# Altium PCB Bien_Quang_Cao_ver2_pcb.PcbDoc (part 2 of 2)
Units mil, origin at the board's own origin, x right, y up, seen from the top; angles counter-clockwise.
Board outline 8661.42 x 3937.01 mil, 2 copper layers (Top Layer, Bottom Layer); 176 components, 159 nets, 499 pads, 189 vias.
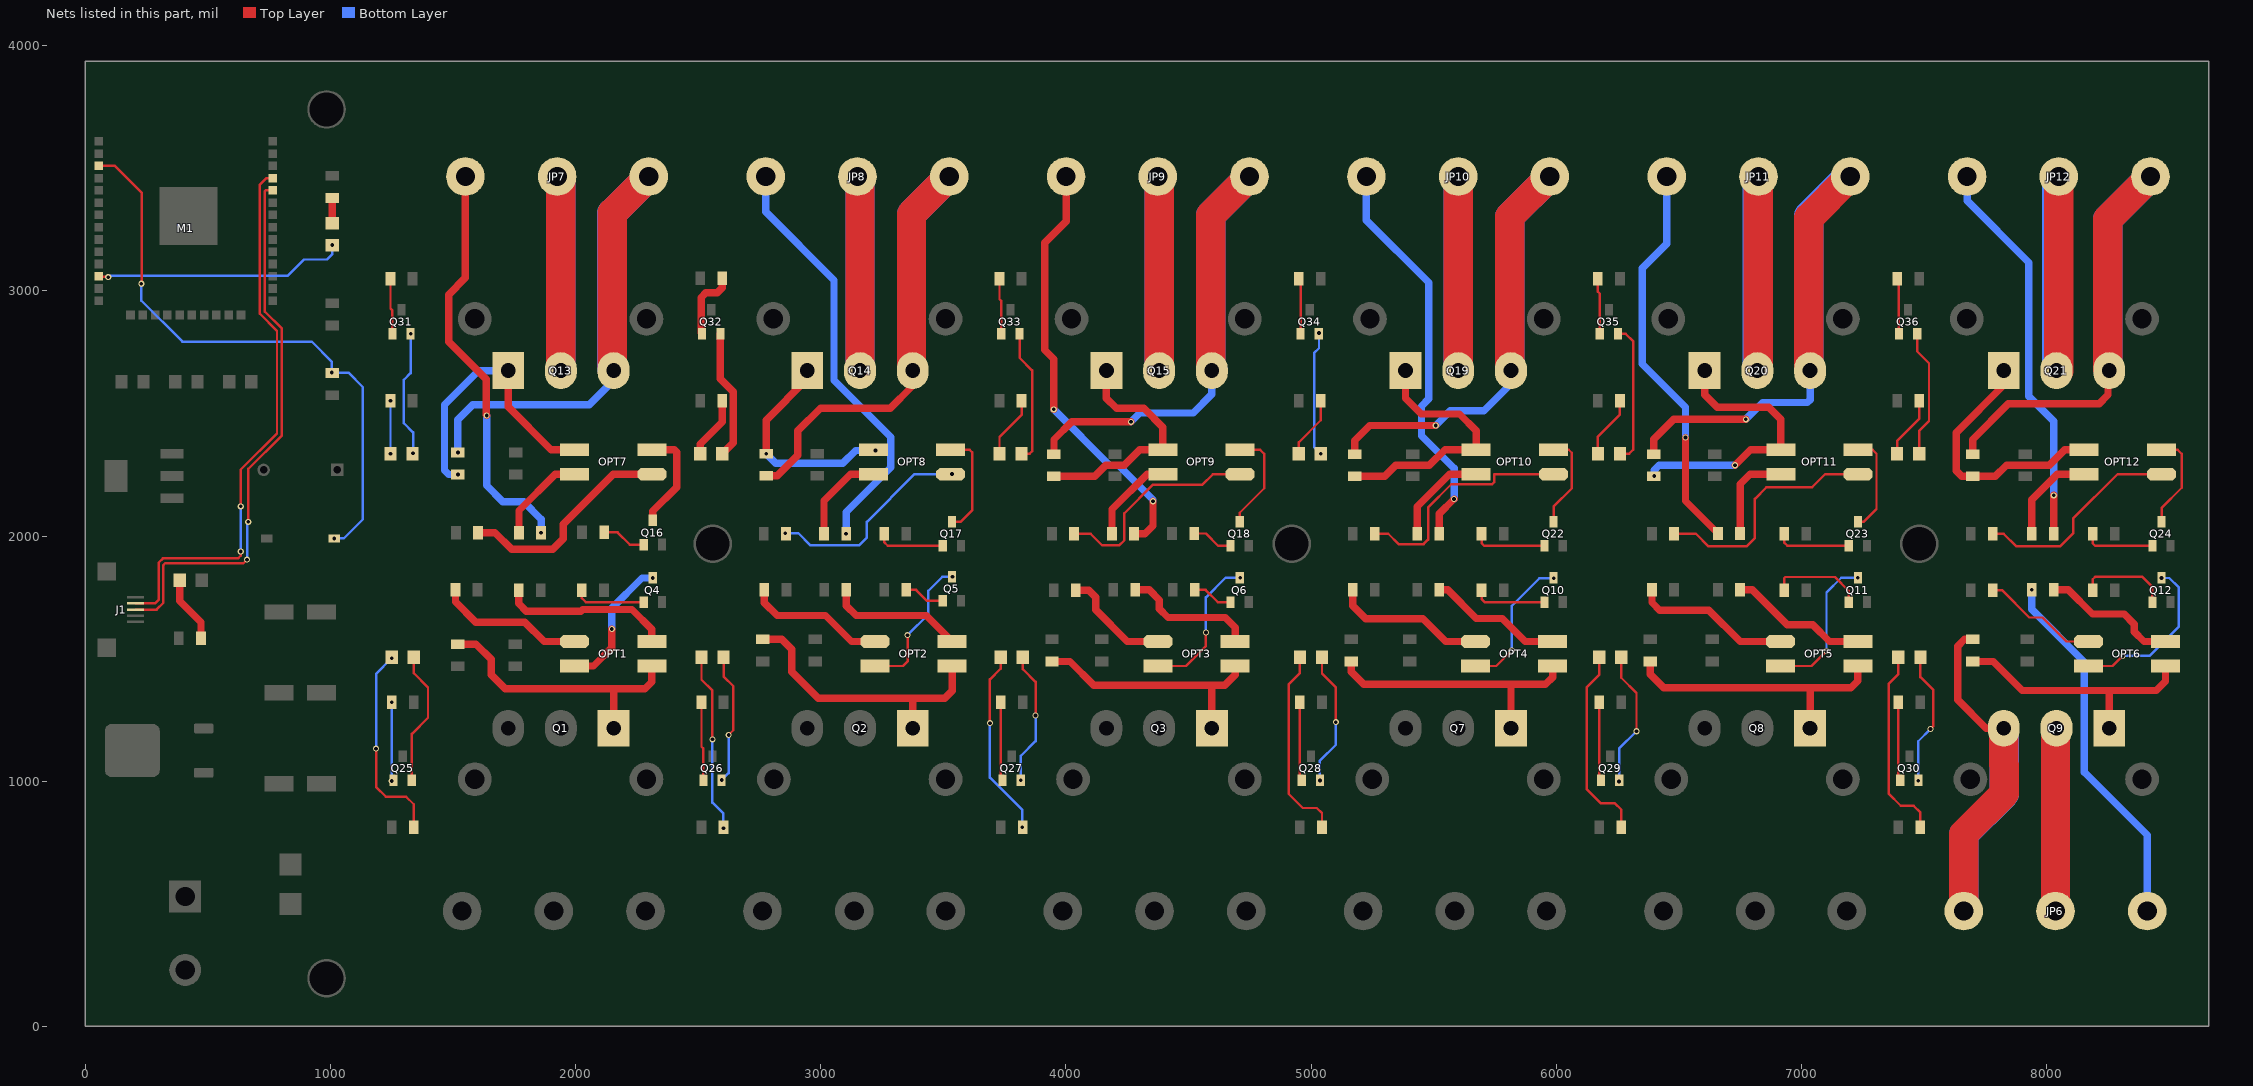
[diagram p2: the nets of this part, all layers, seen from the top]

## Via types
v1: diameter 25, hole 15, Top Layer to Bottom Layer, tented both sides, 189 vias

## Nets (pads, with @x,y where several pads share a name; then routed paths per layer and width w, separated by ;. In a path a pad name is that pad's centre, name@x,y a point inside that pad or via, vN(x,y) a via of type N, cw(c..) or ccw(c..) an arc to the next point about the centre after c; other vN are vias at no path point) (continued)
NetJP6_1: JP6.1 R21.1 | length 1505.1
  Bottom Layer w30: v1(7938.97,1780.5) 7938.97,1701.03 8154,1486 8154,1037 8409.92,781.08 JP6.1@8409.92,470.5
NetJP6_2: JP6.2 Q9.2 | length 1493.4
  Top Layer w120: JP6.2@8035.9,470.5 Q9.2@8035.9,1216.32
  Bottom Layer w120: JP6.2@8035.9,470.5 8035.9,1212.18 Q9.2@8040.04,1216.32
NetJP6_3: JP6.3 Q9.3 R27.2 | length 2164.3
  Top Layer w30: R27.2@7698,1578.6 7664.6,1578.6 7637,1551 7637,1332 7752.68,1216.32 Q9.3@7825.04,1216.32
  Top Layer w120: JP6.3@7661.89,470.5 7661.89,784.76 7827.77,950.65 7827.77,1065.71 7825.04,1068.45 Q9.3@7825.04,1216.32
  Bottom Layer w120: JP6.3@7661.89,470.5 7661.89,782.88 7827.77,948.77 Q9.3@7827.77,1223
NetJP7_1: JP7.1 R34.1 | length 1686.9
  Top Layer w30: JP7.1@1550.54,3466.51 1550.54,3053.54 1482,2985 1482,2792 1635.04,2638.96 1635.04,2493.96 v1(1637,2492)
  Bottom Layer w30: v1(1637,2492) 1637,2206 1703,2140 1788,2140 1859.15,2068.85 v1(1859.15,2014)
NetJP7_2: JP7.2 Q13.2 | length 1595.8
  Top Layer w120: JP7.2@1924.55,3466.51 1940.04,3451.02 Q13.2@1940.04,2675
  Bottom Layer w120: JP7.2@1924.55,3466.51 1940.04,3451.02 Q13.2@1940.04,2675
NetJP7_3: JP7.3 Q13.3 R42.2 | length 2590.2
  Top Layer w120: Q13.3@2155.04,2675 2149.98,2675 2149.98,3317.92 JP7.3@2298.57,3466.51
  Bottom Layer w30: v1(1520,2341) 1520,2475 1580,2535 2055,2535 2155.04,2635.04 Q13.3@2155.04,2675
  Bottom Layer w120: Q13.3@2155.04,2675 2148,2682.04 2148,3315.94 JP7.3@2298.57,3466.51
NetJP8_1: JP8.1 R36.1 | length 1743.4
  Top Layer w30: R36.1@3103.17,2009.5 v1(3103.17,2009.83)
  Bottom Layer w30: JP8.1@2775.52,3466.51 2775.52,3322.48 3054,3044 3054,2635 3285,2404 3285,2280 3103.17,2098.17 v1(3103.17,2009.83)
NetJP8_2: JP8.2 Q14.2 | length 1591.7
  Top Layer w120: JP8.2@3149.53,3466.51 3160.04,3456.01 Q14.2@3160.04,2675
  Bottom Layer w120: JP8.2@3149.53,3466.51 3160.04,3456.01 Q14.2@3160.04,2675
NetJP8_3: JP8.3 Q14.3 R43.2 | length 2580.8
  Top Layer w30: R43.2@2777.04,2246 2823,2246 2906,2329 2906,2429 2999,2522 3284,2522 3369.98,2607.98 Q14.3@3369.98,2675
  Top Layer w120: Q14.3@3369.98,2675 3369.98,3312.94 JP8.3@3523.55,3466.51
  Bottom Layer w120: Q14.3@3375.04,2675 3369.98,2680.06 3369.98,3312.94 JP8.3@3523.55,3466.51
NetJP9_1: JP9.1 R38.1 | length 1755.9
  Top Layer w30: v1(3950,2517) 3950,2722 3913,2759 3913,3196 4000.5,3283.5 JP9.1@4000.5,3466.51 ; R38.1@4277.8,2009.5 4322.5,2009.5 4355,2042 v1(4355,2142)
  Bottom Layer w30: v1(3950,2517) 4179,2288 4215.57,2288 4355,2148.57 v1(4355,2142)
NetJP9_2: JP9.2 Q15.2 | length 1587.6
  Top Layer w120: JP9.2@4374.52,3466.51 4380.04,3460.99 Q15.2@4380.04,2675
  Bottom Layer w120: JP9.2@4374.52,3466.51 4380.04,3460.99 Q15.2@4380.04,2675
NetJP9_3: JP9.3 Q15.3 R44.2 | length 2596.5
  Top Layer w30: R44.2@3951,2333.6 3951,2394 4023,2466 v1(4265,2466)
  Top Layer w120: Q15.3@4589.98,2675 4589.98,3307.95 JP9.3@4748.53,3466.51
  Bottom Layer w30: v1(4265,2466) 4301,2502 4519,2502 4595.04,2578.04 Q15.3@4595.04,2675
  Bottom Layer w120: Q15.3@4595.04,2675 4597.97,2677.93 4589.98,2685.92 4589.98,3307.95 JP9.3@4748.53,3466.51
NetJP10_1: JP10.1 R49.1 | length 1655
  Top Layer w30: R49.1@5522.51,2009.5 5522.51,2090.51 v1(5583,2151)
  Bottom Layer w30: JP10.1@5225.49,3466.51 5225.49,3288.51 5480,3034 5480,2560 5450,2530 5450,2409 5583,2276 v1(5583,2151)
NetJP10_2: JP10.2 Q19.2 | length 1583.2
  Top Layer w120: Q19.2@5599.5,2675 JP10.2@5599.5,3466.51
  Bottom Layer w120: JP10.2@5599.5,3466.51 5599.5,2675.54 Q19.2@5600.04,2675
NetJP10_3: JP10.3 Q19.3 R58.2 | length 2565.8
  Top Layer w30: R58.2@5178.04,2333.6 5178.04,2390.04 5239,2451 v1(5508,2451)
  Top Layer w120: Q19.3@5815.04,2675 5809.98,2680.06 5809.98,3302.97 JP10.3@5973.52,3466.51
  Bottom Layer w30: v1(5508,2451) 5568,2511 5705,2511 5815.04,2621.04 Q19.3@5815.04,2675
  Bottom Layer w120: Q19.3@5815.04,2675 5809.98,2680.06 5809.98,3302.97 JP10.3@5973.52,3466.51
NetJP11_1: JP11.1 R51.1 | length 1625
  Top Layer w30: v1(6527,2402) 6527,2143 R51.1@6659.5,2010.5
  Bottom Layer w30: JP11.1@6450.47,3466.51 6450.47,3192.47 6351,3093 6351,2702 6527,2526 v1(6527,2402)
NetJP11_2: JP11.2 Q20.2 | length 1584.9
  Top Layer w120: Q20.2@6824.48,2675 JP11.2@6824.48,3466.51
  Bottom Layer w120: Q20.2@6820.04,2675 6820.04,3462.06 JP11.2@6824.48,3466.51
NetJP11_3: JP11.3 Q20.3 R59.2 | length 2616.2
  Top Layer w30: R59.2@6398.04,2333.6 6398.04,2395.04 6479,2476 v1(6773,2476)
  Top Layer w120: Q20.3@7035.04,2675 7029.98,2680.06 7029.98,3297.99 JP11.3@7198.5,3466.51
  Bottom Layer w30: v1(6773,2476) 6842,2545 7024,2545 7035.04,2556.04 Q20.3@7035.04,2675
  Bottom Layer w120: Q20.3@7035.04,2675 7029.98,2680.06 7029.98,3306.98 7189.51,3466.51 JP11.3@7198.5,3466.51
NetJP12_1: JP12.1 R53.1 | length 1603.4
  Top Layer w30: R53.1@8028.98,2009.5 v1(8028.98,2165.98)
  Bottom Layer w30: JP12.1@7675.45,3466.51 7675.45,3367.55 7927,3116 7927,2570 8028.98,2468.02 v1(8028.98,2165.98)
NetJP12_2: JP12.2 Q21.2 | length 1586.9
  Top Layer w120: Q21.2@8049.47,2675 JP12.2@8049.47,3466.51
  Bottom Layer w120: Q21.2@8040.04,2675 8040.04,3457.08 JP12.2@8049.47,3466.51
NetJP12_3: JP12.3 Q21.3 R60.2 | length 2515.6
  Top Layer w30: R60.2@7698,2333.6 7698,2394 7844,2540 8214,2540 8249.98,2575.98 Q21.3@8249.98,2680.06
  Top Layer w120: Q21.3@8249.98,2680.06 8249.98,3293 JP12.3@8423.48,3466.51
  Bottom Layer w120: Q21.3@8255.04,2675 8249.98,2680.06 8249.98,3293 JP12.3@8423.48,3466.51
NetLED1_1: LED1.1 M1.12 | length 1035.9
  Top Layer w10: M1.12@55,3060 56.95,3058.05 91.95,3058.05 v1(94,3056)
  Bottom Layer w10: v1(94,3056) 94,3060 92.5,3061.5 825.5,3061.5 892,3128 986,3128 1008,3150 v1(1008,3187)
NetLED1_2: LED1.2 R54.2 | length 103.2
  Top Layer w30: LED1.2@1007.5,3276 1008,3276.5 R54.2@1008,3379
NetLED2_1: LED2.1 Q25.1 | length 552.4
  Top Layer w10: Q25.1@1332,1004 1332,1193 1398,1259 1398,1383 1340,1441 LED2.1@1340,1505
NetLED2_2: LED2.2 R76.1 | length 827.9
  Top Layer w10: v1(1186,1133) 1186,977 1226,937 1309,937 1340,906 R76.1@1340,813
  Bottom Layer w10: v1(1186,1133) 1186,1438 v1(1250,1502)
NetLED3_1: LED3.1 Q26.1 | length 535.8
  Top Layer w10: LED3.1@2603.48,1505 2603.48,1427.52 2643,1388 2643,1208 v1(2624,1189)
  Bottom Layer w10: v1(2596,1005) 2624,1033 v1(2624,1189)
NetLED3_2: LED3.2 R77.1 | length 734.1
  Top Layer w10: LED3.2@2513.48,1505 2513.48,1414.24 2558,1369.72 v1(2558,1171)
  Bottom Layer w10: v1(2558,1171) 2558,913 2603,868 v1(2603,808)
NetLED4_1: LED4.1 Q27.1 | length 547.5
  Top Layer w10: LED4.1@3823.86,1505 3823.86,1457.14 3876,1405 v1(3876,1268)
  Bottom Layer w10: v1(3816,1004) 3816,1104 3876,1164 v1(3876,1268)
NetLED4_2: LED4.2 R78.1 | length 767.3
  Top Layer w10: v1(3690,1237) 3690,1415.28 3733.86,1459.14 LED4.2@3733.86,1505 ; v1(3822,812) R78.1@3823,813
  Bottom Layer w10: v1(3690,1237) 3690,1015 3822,883 v1(3822,812)
NetLED5_1: LED5.1 Q28.1 | length 552.4
  Top Layer w10: LED5.1@5044.24,1505 5044.24,1438.76 5101,1382 v1(5101,1241)
  Bottom Layer w10: v1(5036,1003) 5036,1084 5101,1149 v1(5101,1241)
NetLED5_2: LED5.2 R79.1 | length 801
  Top Layer w10: LED5.2@4954.24,1505 4954.24,1441.24 4908,1395 4908,949 4966,891 5023,891 5044.24,869.76 R79.1@5044.24,813
NetLED6_1: LED6.1 Q29.1 | length 561.2
  Top Layer w10: LED6.1@6264.62,1505 6264.62,1422.38 6327,1360 v1(6327,1204)
  Bottom Layer w10: v1(6256,999) 6256,1133 v1(6327,1204)
NetLED6_2: LED6.2 R80.1 | length 803.8
  Top Layer w10: LED6.2@6174.62,1505 6174.62,1433.62 6125,1384 6125,967 6182,910 6239,910 6264.62,884.38 R80.1@6264.62,813
NetLED7_1: LED7.1 Q30.1 | length 550.6
  Top Layer w10: LED7.1@7485,1505 7485,1425 7538,1372 7538,1225 v1(7526,1213)
  Bottom Layer w10: v1(7476,1002) 7476,1163 v1(7526,1213)
NetLED7_2: LED7.2 R81.1 | length 792.9
  Top Layer w10: LED7.2@7395,1505 7395,1437 7355,1397 7355,950 7405,900 7457,900 7485,872 R81.1@7485,813
NetLED8_1: LED8.1 Q31.1 | length 514.9
  Bottom Layer w10: v1(1327,2825.25) 1327,2665 1299,2637 1299,2461 1337,2423 v1(1337,2337.69)
NetLED8_2: LED8.2 R82.1 | length 216.6
  Bottom Layer w10: v1(1245,2335.69) v1(1245,2552.32)
NetLED9_1: LED9.1 Q32.1 | length 529.9
  Top Layer w30: Q32.1@2590.48,2825.26 2590.48,2641.87 2643.17,2589.18 2643.17,2380.38 LED9.1@2598.48,2335.69
NetLED9_2: LED9.2 R83.1 | length 252.9
  Top Layer w30: LED9.2@2508.48,2335.69 2508.48,2375.48 2598.48,2465.48 R83.1@2598.48,2551.32
NetLED10_1: LED10.1 Q33.1 | length 547.9
  Top Layer w10: Q33.1@3810.86,2825.26 3810.86,2727.14 3862,2676 3862,2346 3851.69,2335.69 LED10.1@3818.86,2335.69
NetLED10_2: LED10.2 R84.1 | length 252.9
  Top Layer w10: LED10.2@3728.86,2335.69 3728.86,2403.86 3818.86,2493.86 R84.1@3818.86,2551.32
NetLED11_1: LED11.1 Q34.1 | length 511.9
  Bottom Layer w10: v1(5032,2828) 5032,2766 5012,2746 5012,2362.93 v1(5039.24,2335.69)
NetLED11_2: LED11.2 R85.1 | length 252.9
  Top Layer w10: LED11.2@4949.24,2335.69 4949.24,2382.24 5039.24,2472.24 R85.1@5039.24,2551.32
NetLED12_1: LED12.1 Q35.1 | length 577.1
  Top Layer w10: Q35.1@6251.62,2825.26 6282.74,2825.26 6313,2795 6313,2352 6296.69,2335.69 LED12.1@6259.62,2335.69
NetLED12_2: LED12.2 R86.1 | length 252.9
  Top Layer w10: LED12.2@6169.62,2335.69 6169.62,2405.62 6259.62,2495.62 R86.1@6259.62,2551.32
NetLED13_1: LED13.1 Q36.1 | length 526
  Top Layer w10: Q36.1@7472,2825.26 7472,2753 7520,2705 7520,2469 7480,2429 LED13.1@7480,2335.69
NetLED13_2: LED13.2 R87.1 | length 252.9
  Top Layer w10: LED13.2@7390,2335.69 7390,2388 7480,2478 R87.1@7480,2551.32
NetLED14_2: LED14.2 R88.2 | length 273
  Top Layer w30: LED14.2@385,1820 385,1735 472,1648 R88.2@472,1583
NetM1_3: M1.3 R32.2 Reset1.1 | length 2425.6
  Top Layer w10: M1.3@55,3510 121,3510 230,3401 230,3030 v1(229,3029)
  Bottom Layer w10: v1(229,3029) 229,2960 396,2793 924,2793 1005,2712 v1(1005,2667) 1073,2667 1132,2608 1132,2068 1054.26,1990.26 v1(1015.33,1990.26)
NetOPT1_1: OPT1.1 R1.1 | length 601.6
  Top Layer w30: R1.1@1510.03,1780.5 1510.03,1731.97 1593,1649 1793,1649 1872,1570 OPT1.1@1996.04,1570
NetOPT1_2: OPT1.2 Q4.2 | length 561
  Top Layer w30: OPT1.2@1996.04,1470 2073,1470 2148,1545 v1(2148,1621)
  Bottom Layer w30: v1(2148,1621) 2148,1706 2271,1829 v1(2314,1829)
NetOPT1_3: OPT1.3 Q1.1 R10.1 | length 1142.4
  Top Layer w30: R10.1@1519.04,1559 1594,1559 1656,1497 1656,1434 1713,1377 2153,1377 ; Q1.1@2155.04,1216.32 2155.04,1374.96 2153,1377 ; OPT1.3@2311,1470 2311,1405 2283,1377 2153,1377
NetOPT1_4: OPT1.4 R2.2 | length 696.7
  Top Layer w30: R2.2@1767.84,1779.5 1767.84,1725.16 1799,1694 2022,1694 2028.79,1700.79 2230.21,1700.79 2311,1620 OPT1.4@2311,1570
NetOPT2_1: OPT2.1 R3.1 | length 569
  Top Layer w30: R3.1@2770,1780.5 2770,1728 2822,1676 3019,1676 3125,1570 OPT2.1@3221.04,1570
NetOPT2_2: OPT2.2 Q5.2 | length 585.6
  Top Layer w10: OPT2.2@3221.04,1470 3335,1470 3354,1489 v1(3354,1596)
  Bottom Layer w10: v1(3354,1596) 3439,1681 3439,1777 3496,1834 v1(3537,1834)
NetOPT2_3: OPT2.3 Q2.1 R11.1 | length 1160.5
  Top Layer w30: R11.1@2764,1578.6 2840.4,1578.6 2881,1538 2881,1447 2990,1338 3375.04,1338 ; Q2.1@3375.04,1216.32 3375.04,1338 ; OPT2.3@3536,1470 3536,1369 3505,1338 3375.04,1338
NetOPT2_4: OPT2.4 R4.2 | length 556.2
  Top Layer w30: R4.2@3104.48,1780.5 3104.48,1716.52 3145,1676 3430,1676 OPT2.4@3536,1570
NetOPT3_1: OPT3.1 R5.1 | length 452.2
  Top Layer w30: R5.1@4040.04,1779.5 4092.5,1779.5 4121,1751 4121,1699 4250,1570 OPT3.1@4375,1570
NetOPT3_2: OPT3.2 Q6.2 | length 601.7
  Top Layer w10: OPT3.2@4375,1470 4490,1470 4571,1551 v1(4571,1607)
  Bottom Layer w10: v1(4571,1607) 4571,1750 4651,1830 v1(4711,1830)
NetOPT3_3: OPT3.3 Q3.1 R12.1 | length 1016.3
  Top Layer w30: R12.1@3943.04,1488.6 4016.4,1488.6 4113,1392 4597,1392 ; Q3.1@4595.04,1216.32 4595.04,1390.04 4597,1392 ; OPT3.3@4689.96,1470 4689.96,1434.96 4647,1392 4597,1392
NetOPT3_4: OPT3.4 R6.2 | length 549.2
  Top Layer w30: R6.2@4282.49,1780.5 4339.5,1780.5 4381,1739 4381,1703 4416,1668 4649,1668 4689.96,1627.04 OPT3.4@4689.96,1570
NetOPT4_1: OPT4.1 R16.1 | length 625
  Top Layer w30: R16.1@5170.03,1780.5 5170.03,1715.97 5223,1663 5456,1663 5549,1570 OPT4.1@5670.04,1570
NetOPT4_2: OPT4.2 Q10.2 | length 573.9
  Top Layer w10: OPT4.2@5670.04,1470 5755,1470 v1(5818,1533)
  Bottom Layer w10: v1(5818,1533) 5818,1715 5931,1828 v1(5989,1828)
NetOPT4_3: OPT4.3 Q7.1 R25.1 | length 1118.8
  Top Layer w30: R25.1@5163.04,1488.6 5163.04,1446.96 5215,1395 5956,1395 5985,1424 OPT4.3@5985,1470 ; Q7.1@5815.04,1216.32 5815.04,1391.96
NetOPT4_4: OPT4.4 R17.2 | length 549.7
  Top Layer w30: R17.2@5522.5,1780.5 5557.5,1780.5 5674,1664 5780,1664 5874,1570 OPT4.4@5985,1570
NetOPT5_1: OPT5.1 R18.1 | length 642.3
  Top Layer w30: R18.1@6390.03,1780.5 6390.03,1728.97 6421,1698 6622,1698 6750,1570 OPT5.1@6915,1570
NetOPT5_2: OPT5.2 Q11.2 | length 604.1
  Top Layer w10: OPT5.2@6915,1470 7041,1470 v1(7102,1531)
  Bottom Layer w10: v1(7102,1531) 7102,1770 7162,1830 v1(7230,1830)
NetOPT5_3: OPT5.3 Q8.1 R26.1 | length 1156.6
  Top Layer w30: R26.1@6383.04,1488.6 6383.04,1435.96 6438,1381 7202,1381 7229.96,1408.96 OPT5.3@7229.96,1470 ; Q8.1@7035.04,1216.32 7035.04,1377.96
NetOPT5_4: OPT5.4 R19.2 | length 567.6
  Top Layer w30: R19.2@6749.5,1780.5 6799.5,1780.5 6942,1638 7046,1638 7114,1570 OPT5.4@7229.96,1570
NetOPT6_1: OPT6.1 R20.1 | length 476.8
  Top Layer w10: R20.1@7780,1779.5 7817.5,1779.5 7929,1668 7983,1668 8081,1570 OPT6.1@8170,1570
NetOPT6_2: OPT6.2 Q12.2 | length 681.8
  Top Layer w10: OPT6.2@8170,1470 8269,1470 v1(8310,1511)
  Bottom Layer w10: v1(8310,1511) 8419,1511 8539,1631 8539,1790 8500,1829 v1(8468,1829)
NetOPT6_3: OPT6.3 Q9.1 R27.1 | length 1068
  Top Layer w30: R27.1@7698,1488.6 7782.4,1488.6 7901,1370 8254,1370 ; Q9.1@8255.04,1216.32 8255.04,1368.96 8254,1370 ; OPT6.3@8484.96,1470 8484.96,1407.96 8447,1370 8254,1370
NetOPT6_4: OPT6.4 R21.2 | length 561.3
  Top Layer w30: R21.2@8028.97,1780.5 8088.5,1780.5 8187,1682 8316,1682 8357,1641 8357,1610 8397,1570 OPT6.4@8484.96,1570
NetOPT7_1: OPT7.1 R33.1 | length 898.6
  Top Layer w30: R33.1@1602,2014 1671,2014 1739,1946 1907,1946 1950,1989 1950,2048 2154.2,2252.2 OPT7.1@2311,2252.2
NetOPT7_2: OPT7.2 Q16.2 | length 423.7
  Top Layer w30: OPT7.2@2311,2352.2 2401.8,2352.2 2412,2342 2412,2199 2315,2102 Q16.2@2315,2063.71
NetOPT7_3: OPT7.3 Q13.1 R42.1 | length 1138.5
  Top Layer w30: Q13.1@1725.04,2675 1725.04,2526.96 1899.8,2352.2 OPT7.3@1996.04,2352.2
  Bottom Layer w30: v1(1520,2251) 1483,2251 1465,2269 1465,2536 1604,2675 Q13.1@1725.04,2675
NetOPT7_4: OPT7.4 R34.2 | length 378.4
  Top Layer w30: R34.2@1769.15,2014 1769.15,2104.15 1917.2,2252.2 OPT7.4@1996.04,2252.2
NetOPT8_1: OPT8.1 R35.1 | length 861.7
  Top Layer w10: v1(2855.54,2012) R35.1@2858.04,2009.5
  Bottom Layer w10: v1(2855.54,2012) 2908,2012 2958,1962 3156,1962 3188,1994 3188,2058 3383,2253 v1(3535,2253)
NetOPT8_2: OPT8.2 Q17.2 | length 429.2
  Top Layer w10: OPT8.2@3530,2352.2 3606.8,2352.2 3617,2342 3617,2105 3571.21,2059.21 Q17.2@3535,2059.21
NetOPT8_3: OPT8.3 Q14.1 R43.1 | length 892.2
  Top Layer w30: v1(2777.04,2336) 2777.04,2473.04 2945.04,2641.04 Q14.1@2945.04,2675
  Bottom Layer w30: v1(2777.04,2336) 2816.04,2297 3090,2297 3142,2349 v1(3223,2349)
NetOPT8_4: OPT8.4 R36.2 | length 381.3
  Top Layer w30: R36.2@3013.17,2009.5 3013.17,2144.17 3121.2,2252.2 OPT8.4@3215.04,2252.2
NetOPT9_1: OPT9.1 R37.1 | length 881.3
  Top Layer w10: R37.1@4033,2009.5 4100.5,2009.5 4148,1962 4217,1962 4238,1983 4238,2093 4355,2210 4557,2210 4599.2,2252.2 OPT9.1@4709.96,2252.2
NetOPT9_2: OPT9.2 Q18.2 | length 423.4
  Top Layer w10: Q18.2@4708.96,2059.21 4708.96,2094.96 4809,2195 4809,2335 4791.8,2352.2 OPT9.2@4709.96,2352.2
NetOPT9_3: OPT9.3 Q15.1 R44.1 | length 972.6
  Top Layer w30: R44.1@3951,2243.6 4117.46,2243.6 4162.14,2288.28 4237.23,2288.28 4301.14,2352.2 OPT9.3@4395,2352.2 4395,2444 4318,2521 4206,2521 4165.04,2561.96 Q15.1@4165.04,2675
NetOPT9_4: OPT9.4 R38.2 | length 365.9
  Top Layer w30: R38.2@4187.8,2009.5 4187.8,2108.8 4331.2,2252.2 OPT9.4@4395,2252.2
NetOPT10_1: OPT10.1 R48.1 | length 959.3
  Top Layer w10: R48.1@5260.04,2009.5 5314.5,2009.5 5357,1967 5458.41,1967 5477,1985.59 5477,2117 5571.61,2211.61 5738.31,2211.61 5747.09,2220.4 5747.09,2252.2 OPT10.1@5988,2252.2
NetOPT10_2: OPT10.2 Q22.2 | length 391.5
  Top Layer w10: OPT10.2@5988,2352.2 6050.8,2352.2 6063,2340 6063,2194 5989,2120 Q22.2@5989,2059.21
NetOPT10_3: OPT10.3 Q19.1 R58.1 | length 1073.5
  Top Layer w30: R58.1@5178.04,2243.6 5300.6,2243.6 5345.28,2288.28 5482.28,2288.28 5546.2,2352.2 OPT10.3@5673.04,2352.2 5673.04,2429.96 5605,2498 5449,2498 5385.04,2561.96 Q19.1@5385.04,2675
NetOPT10_4: OPT10.4 R49.2 | length 406.1
  Top Layer w30: R49.2@5432.51,2009.5 5432.51,2120.51 5564.2,2252.2 OPT10.4@5673.04,2252.2
NetOPT11_1: OPT11.1 R50.1 | length 987.9
  Top Layer w10: R50.1@6480.04,2009.5 6569.5,2009.5 6621,1958 6776,1958 6810,1992 6810,2152 6857,2199 7043,2199 7096.2,2252.2 OPT11.1@7231,2252.2
NetOPT11_2: OPT11.2 Q23.2 | length 404.2
  Top Layer w10: Q23.2@7230,2059.21 7254.21,2059.21 7306,2111 7306,2336 7289.8,2352.2 OPT11.2@7231,2352.2
NetOPT11_3: OPT11.3 Q20.1 R59.1 | length 1150.7
  Top Layer w30: Q20.1@6605.04,2675 6605.04,2575.96 6656,2525 6867,2525 6916.04,2475.96 OPT11.3@6916.04,2352.2 6792.2,2352.2 v1(6728.91,2288.91)
  Bottom Layer w30: v1(6399,2245) 6399,2269 6418.91,2288.91 v1(6728.91,2288.91)
NetOPT11_4: OPT11.4 R51.2 | length 384.4
  Top Layer w30: R51.2@6749.5,2010.5 6749.5,2211.5 6790.2,2252.2 OPT11.4@6916.04,2252.2
NetOPT12_1: OPT12.1 R52.1 | length 865.5
  Top Layer w10: R52.1@7780,2009.5 7824.5,2009.5 7875,1959 8056,1959 8108,2011 8108,2071 8289.2,2252.2 OPT12.1@8468,2252.2
NetOPT12_2: OPT12.2 Q24.2 | length 400.1
  Top Layer w10: OPT12.2@8468,2352.2 8533.8,2352.2 8551,2335 8551,2197 8468.48,2114.48 Q24.2@8468.48,2059.21
NetOPT12_3: OPT12.3 Q21.1 R60.1 | length 1065.7
  Top Layer w30: Q21.1@7825.04,2675 7825.04,2616.04 7631,2422 7631,2266 7653.4,2243.6 R60.1@7698,2243.6 7790.6,2243.6 7836,2289 7874.54,2289 7874.63,2288.91 8010.91,2288.91 8074.2,2352.2 OPT12.3@8153.04,2352.2
NetOPT12_4: OPT12.4 R53.2 | length 395.7
  Top Layer w30: R53.2@7938.98,2009.5 7938.98,2147.98 8043.2,2252.2 OPT12.4@8153.04,2252.2
NetQ4_3: Q4.3 R7.2 | length 291.5
  Top Layer w10: R7.2@2025.64,1779.5 2025.64,1746.36 2041.21,1730.79 Q4.3@2277.6,1730.79
NetQ5_3: Q5.3 R8.2 | length 167.2
  Top Layer w10: R8.2@3348.96,1780.5 3388.5,1780.5 3433.21,1735.79 Q5.3@3497.6,1735.79
NetQ6_3: Q6.3 R9.2 | length 167.2
  Top Layer w10: R9.2@4524.95,1780.5 4569.5,1780.5 4619.21,1730.79 Q6.3@4671.56,1730.79
NetQ10_3: Q10.3 R22.2 | length 298.2
  Top Layer w10: R22.2@5694.98,1779.5 5694.98,1743.02 5707.21,1730.79 Q10.3@5951.6,1730.79
NetQ11_3: Q11.3 R23.2 | length 383.2
  Top Layer w10: R23.2@6928.98,1779.5 6928.98,1827.98 6934,1833 7136,1833 7192.6,1776.4 Q11.3@7192.6,1730.79
NetQ12_3: Q12.3 R24.2 | length 371.7
  Top Layer w10: R24.2@8187.95,1779.5 8187.95,1823.95 8199,1835 8389,1835 8431.08,1792.92 Q12.3@8431.08,1730.79
NetQ16_3: Q16.3 R39.2 | length 181.9
  Top Layer w10: R39.2@2116.3,2015 2171,2015 2220.71,1965.29 Q16.3@2277.6,1965.29
NetQ17_3: Q17.3 R40.2 | length 279.3
  Top Layer w10: R40.2@3258.31,2009.5 3258.31,1975.69 3273.21,1960.79 Q17.3@3497.6,1960.79
NetQ18_3: Q18.3 R41.2 | length 169.5
  Top Layer w10: R41.2@4522.6,2010.5 4570.5,2010.5 4620.21,1960.79 Q18.3@4671.56,1960.79
NetQ22_3: Q22.3 R55.2 | length 299.3
  Top Layer w10: R55.2@5694.98,2009.5 5694.98,1971.02 5705.21,1960.79 Q22.3@5951.6,1960.79
NetQ23_3: Q23.3 R56.2 | length 304.6
  Top Layer w10: R56.2@6928.98,2009.5 6928.98,1974.02 6942.21,1960.79 Q23.3@7192.6,1960.79
NetQ24_3: Q24.3 R57.2 | length 286.9
  Top Layer w10: R57.2@8187.95,2010 8187.95,1970.05 8197.21,1960.79 Q24.3@8431.08,1960.79
NetQ25_3: Q25.3 R64.2 | length 321.7
  Bottom Layer w10: v1(1250,1001) v1(1250,1322.68)
NetQ26_3: Q26.3 R65.2 | length 322
  Top Layer w10: R65.2@2513.48,1322.68 2513.48,1140.52 2521.08,1132.92 Q26.3@2521.08,1003.79
NetQ27_3: Q27.3 R66.2 | length 322
  Top Layer w10: R66.2@3733.86,1322.68 3733.86,1011.38 Q27.3@3741.46,1003.79
NetQ28_3: Q28.3 R67.2 | length 322
  Top Layer w10: R67.2@4954.24,1322.68 4954.24,1011.38 Q28.3@4961.84,1003.79
NetQ29_3: Q29.3 R68.2 | length 322
  Top Layer w10: R68.2@6174.62,1322.68 6174.62,1011.38 Q29.3@6182.22,1003.79
NetQ30_3: Q30.3 R69.2 | length 322
  Top Layer w10: R69.2@7395,1322.68 7395,1011.38 Q30.3@7402.6,1003.79
NetQ31_3: Q31.3 R70.2 | length 228.2
  Top Layer w10: R70.2@1245,3050.05 1245,2928 1252.6,2920.4 Q31.3@1252.6,2825.04
NetQ32_3: Q32.3 R71.2 | length 291.3
  Top Layer w30: Q32.3@2516.08,2825.04 2511.74,2829.37 2511.74,2972.74 2531,2992 2578,2992 2598.48,3012.48 R71.2@2598.48,3051.05
NetQ33_3: Q33.3 R72.2 | length 228.2
  Top Layer w10: R72.2@3728.86,3050.05 3728.86,2966.14 3736.46,2958.54 Q33.3@3736.46,2825.04
NetQ34_3: Q34.3 R73.2 | length 228.2
  Top Layer w10: R73.2@4949.24,3050.05 4956.84,3042.46 Q34.3@4956.84,2825.04
NetQ35_3: Q35.3 R74.2 | length 228.2
  Top Layer w10: R74.2@6169.62,3050.05 6169.62,2996.38 6177.22,2988.78 Q35.3@6177.22,2825.04
NetQ36_3: Q36.3 R75.2 | length 228.2
  Top Layer w10: R75.2@7390,3050.05 7397.6,3042.46 Q36.3@7397.6,2825.04
RX: J1.2 M1.35 | length 2265.4
  Top Layer w10: J1.2@205,1725.59 284.59,1725.59 299,1740 299,1891.28 316.72,1909 623,1909 634,1920 v1(634,1937) ; v1(634,2121) 634,2271 782,2419 782,2837 712.28,2906.72 712.28,3433.28 739,3460 M1.35@765,3460
  Bottom Layer w10: v1(634,1937) v1(634,2121)
TX: J1.3 M1.34 | length 2253.9
  Top Layer w10: J1.3@205,1700 291,1700 319,1728 319,1882 326,1889 645,1889 v1(660,1904) ; v1(665,2058) 665,2273.72 802,2410.72 802,2846 732.28,2915.72 732.28,3406.28 736,3410 M1.34@765,3410
  Bottom Layer w10: v1(660,1904) 661.5,1905.5 661.5,2054.5 v1(665,2058)
pads on no net: 1.0 J1.4 M1.4 M1.5 M1.6 M1.7 M1.8 M1.9 M1.17 M1.18 M1.19 M1.20 M1.21 M1.22 M1.27 M1.32 U1.4

## Polygon pours and split planes (outlines as drawn)
GND on Top Layer "Bottom Layer-No Net" (solid, remove dead copper, pour order 0): 0,0 0,2754 878,2754 882,2754 882,3937 1318,3937 1318,2555 8661.42,2555 8661.42,1324 1330,1324 1339,1324 1339,1
GND on Bottom Layer "Bottom Layer-No Net" (solid, remove dead copper, pour order 2): 0,0 0,2754 874,2754 874,3936 1319,3936 1319,2555 8661,2555 8661,1322 1340,1322 1340,0 0,0

## Keep-outs
Keep-Out Layer:
  the board outline again, w10

## Silkscreen, mask and mechanical layers (free items; w line width, h text height)
Top Overlay:
  lines w10: 3627.54,2505.26 3627.54,3146.82 ; 3627.54,2520.26 2692.54,2520.26 2692.54,3161.82 3627.54,3161.82 ; 5132.54,2515.26 5132.54,3156.82 ; 5132.54,2520.26 6067.54,2520.26 6067.54,3161.82 5132.54,3161.82 ; 6352.54,2515.26 6352.54,3156.82 ; 6352.54,2520.26 7287.54,2520.26 ; 6352.54,3161.82 7287.54,3161.82 ; 7287.54,2515.26 7287.54,3156.82 ; 7572.54,725.43 7572.54,1382 ; 7572.54,732.18 8507.54,732.18 ; 7572.54,1375.26 8507.54,1375.26 ; 8507.54,725.43 8507.54,1382 ; 1472.54,732.18 1472.54,1375.26 2407.54,1375.26 2407.54,732.18 1472.54,732.18 ; 1472.54,2520.26 1472.54,3161.82 2407.54,3161.82 2407.54,2520.26 1472.54,2520.26 ; 2692.54,732.18 3627.54,732.18 3627.54,1375.26 2692.54,1375.26 2692.54,732.18 ; 3912.54,732.18 4847.54,732.18 4847.54,1375.26 3912.54,1375.26 3912.54,732.18 ; 3912.54,2520.26 3912.54,3161.82 4847.54,3161.82 4847.54,2520.26 3912.54,2520.26 ; 5132.54,732.18 6067.54,732.18 6067.54,1375.26 5132.54,1375.26 5132.54,732.18 ; 6352.54,732.18 7287.54,732.18 7287.54,1375.26 6352.54,1375.26 6352.54,732.18 ; 7572.54,2520.26 8507.54,2520.26 8507.54,3161.82 7572.54,3161.82 7572.54,2520.26
  text "+12V" at 1753,3707 h80 r180
  text "-LED" at 2138,3707 h80 r180
  text "-12V" at 2513,3707 h80 r180
  text "+12V" at 2973,3707 h80 r180
  text "-LED" at 3358,3707 h80 r180
  text "-12V" at 3733,3707 h80 r180
  text "+12V" at 4173,3707 h80 r180
  text "-LED" at 4558,3707 h80 r180
  text "-12V" at 4933,3707 h80 r180
  text "+12V" at 5393,3707 h80 r180
  text "-LED" at 5778,3707 h80 r180
  text "-12V" at 6153,3707 h80 r180
  text "+12V" at 6648,3707 h80 r180
  text "-LED" at 7033,3707 h80 r180
  text "-12V" at 7408,3707 h80 r180
  text "+12V" at 7858,3707 h80 r180
  text "-LED" at 8243,3707 h80 r180
  text "-12V" at 8618,3707 h80 r180
  text "L7" at 1688,3348 h100 r180
  text "L8" at 2913,3348 h100 r180
  text "L9" at 4138,3348 h100 r180
  text "L10" at 5363,3348 h100 r180
  text "L11" at 6588,3348 h100 r180
  text "L12" at 7813,3348 h100 r180
  text "-12V" at 630,720 h80 r270
  text "L1" at 2216,586 h100
  text "L2" at 3440,586 h100
  text "L3" at 4664,586 h100
  text "L4" at 5888,586 h100
  text "L5" at 7112,586 h100
  text "L6" at 8336,586 h100
  text "+12V" at 630,325 h80 r270
  text "-12V" at 1386,211 h80
  text "-LED" at 1761,211 h80
  text "+12V" at 2146,211 h80
  text "-12V" at 2601,211 h80
  text "-LED" at 2976,211 h80
  text "+12V" at 3361,211 h80
  text "-12V" at 3831,211 h80
  text "-LED" at 4206,211 h80
  text "+12V" at 4591,211 h80
  text "-12V" at 5026,211 h80
  text "-LED" at 5401,211 h80
  text "+12V" at 5786,211 h80
  text "-12V" at 6281,211 h80
  text "-LED" at 6656,211 h80
  text "+12V" at 7041,211 h80
  text "-12V" at 7506,211 h80
  text "-LED" at 7881,211 h80
  text "+12V" at 8266,211 h80
Bottom Overlay:
  drawing of 2330 lines, arcs and shapes, not listed
Top Paste:
  lines w120: 1536.97,470.5 1536.97,759.84 1727.77,950.65 1727.77,1216.32 1725.04,1216.32 ; 1910.98,470.5 1940.04,499.55 1940.04,1216.32 ; 1924.55,3466.51 1940.04,3451.02 1940.04,2675 ; 2155.04,2675 2149.98,2680.06 2149.98,3317.92 2298.57,3466.51 ; 2761.95,470.5 2761.95,764.82 2947.77,950.65 2947.77,1216.32 2945.04,1216.32 ; 3135.97,470.5 3160.04,494.57 3160.04,1216.32 ; 3149.53,3466.51 3160.04,3456.01 3160.04,2675 ; 3375.04,2675 3369.98,2680.06 3369.98,3312.94 3523.55,3466.51 ; 3986.94,470.5 3986.94,721.94 4167.77,902.77 4167.77,1213.58 4165.04,1216.32 ; 4360.95,470.5 4380.04,489.59 4380.04,1216.32 ; 4374.52,3466.51 4380.04,3460.99 4380.04,2675 4380.04,2664 ; 4595.04,2675 4589.98,2680.06 4589.98,3307.95 4748.53,3466.51 ; 5211.92,470.5 5211.92,774.79 5387.77,950.65 5387.77,1213.58 5385.04,1216.32 ; 5585.93,470.5 5585.93,1202.22 5600.04,1216.32 ; 5599.5,3466.51 5599.5,2675.54 5600.04,2675 ; 5815.04,2675 5809.98,2680.06 5809.98,3302.97 5973.52,3466.51 ; 6436.9,470.5 6436.9,779.77 6607.77,950.65 6607.77,1072.24 6607,1073.02 6607,1214.36 6605.04,1216.32 ; 6810.92,470.5 6810.92,1207.2 6820.04,1216.32 ; 6820.04,2675 6820.04,3462.06 6824.48,3466.51 ; 7035.04,2675 7029.98,2680.06 7029.98,3297.99 7198.5,3466.51 ; 7661.89,470.5 7661.89,784.76 7827.77,950.65 7827.77,1213.58 7825.04,1216.32 ; 8035.9,470.5 8035.9,1212.18 8040.04,1216.32 ; 8040.04,2675 8040.04,3457.08 8049.47,3466.51 ; 8255.04,2675 8249.98,2680.06 8249.98,3293 8423.48,3466.51
Bottom Paste:
  lines w120: 1536.97,470.5 1536.97,759.84 1646.41,869.28 1666.75,889.62 1707.43,930.3 1727.77,950.65 1727.77,1213.58 1725.04,1216.32 ; 1910.98,470.5 1940.04,499.55 1940.04,1216.32 ; 1924.55,3466.51 1940.04,3451.02 1940.04,2675 ; 2155.04,2675 2149.98,2680.06 2149.98,3317.92 2298.57,3466.51 ; 2761.95,470.5 2761.95,761.95 2947.77,947.77 2947.77,1213.58 2945.04,1216.32 ; 3135.97,470.5 3160.04,494.57 3160.04,1216.32 ; 3149.53,3466.51 3160.04,3456.01 3160.04,2675 ; 3375.04,2675 3369.98,2680.06 3369.98,3312.94 3523.55,3466.51 ; 3986.94,470.5 3986.94,724.94 4167.77,905.77 4167.77,1213.58 4165.04,1216.32 ; 4360.95,470.5 4380.04,489.59 4380.04,1216.32 ; 4374.52,3466.51 4380.04,3460.99 4380.04,2675 ; 4595.04,2675 4595.12,2675.08 4595.12,2823.15 4589.98,2828.29 4589.98,3307.95 4748.53,3466.51 ; 5211.92,470.5 5211.92,774.79 5387.77,950.65 5387.77,1213.58 5385.04,1216.32 ; 5585.93,470.5 5585.93,1202.22 5600.04,1216.32 ; 5599.5,3466.51 5599.5,2675.54 5600.04,2675 ; 5815.04,2675 5815.04,2818.09 5817.61,2820.66 5809.98,2828.29 5809.98,3302.97 5973.52,3466.51 ; 6436.9,470.5 6436.9,779.77 6607.77,950.65 6607.77,1213.58 6605.04,1216.32 ; 6810.92,470.5 6810.92,1207.2 6820.04,1216.32 ; 6820.04,2675 6820.04,3462.06 6824.48,3466.51 ; 7035.04,2675 7035.04,2813.1 7040.1,2818.17 7029.98,2828.29 7029.98,3308.98 7187.51,3466.51 7198.5,3466.51 ; 7661.89,470.5 7661.89,784.76 7827.77,950.65 7827.77,1213.58 7825.04,1216.32 ; 8035.9,470.5 8035.9,1212.18 8040.04,1216.32 ; 8040.04,2675 8040.04,3457.08 8049.47,3466.51 ; 8255.04,2675 8255.04,2708.28 8255.04,2774.84 8255.04,2808.12 8249.98,2813.18 8249.98,3293 8423.48,3466.51

## Text inside footprints (layer, text, board x,y; h text height)
M1: Top Overlay "www.EvertDekker.com" at 240,3830 h19.68